# Altium PCB PCB1.PcbDoc
Units mil, origin at the board's own origin, x right, y up, seen from the top; angles counter-clockwise.
Board outline 5155 x 3500 mil, 2 copper layers (Top Layer, Bottom Layer); 9 components, 24 nets, 90 pads, 3 vias.
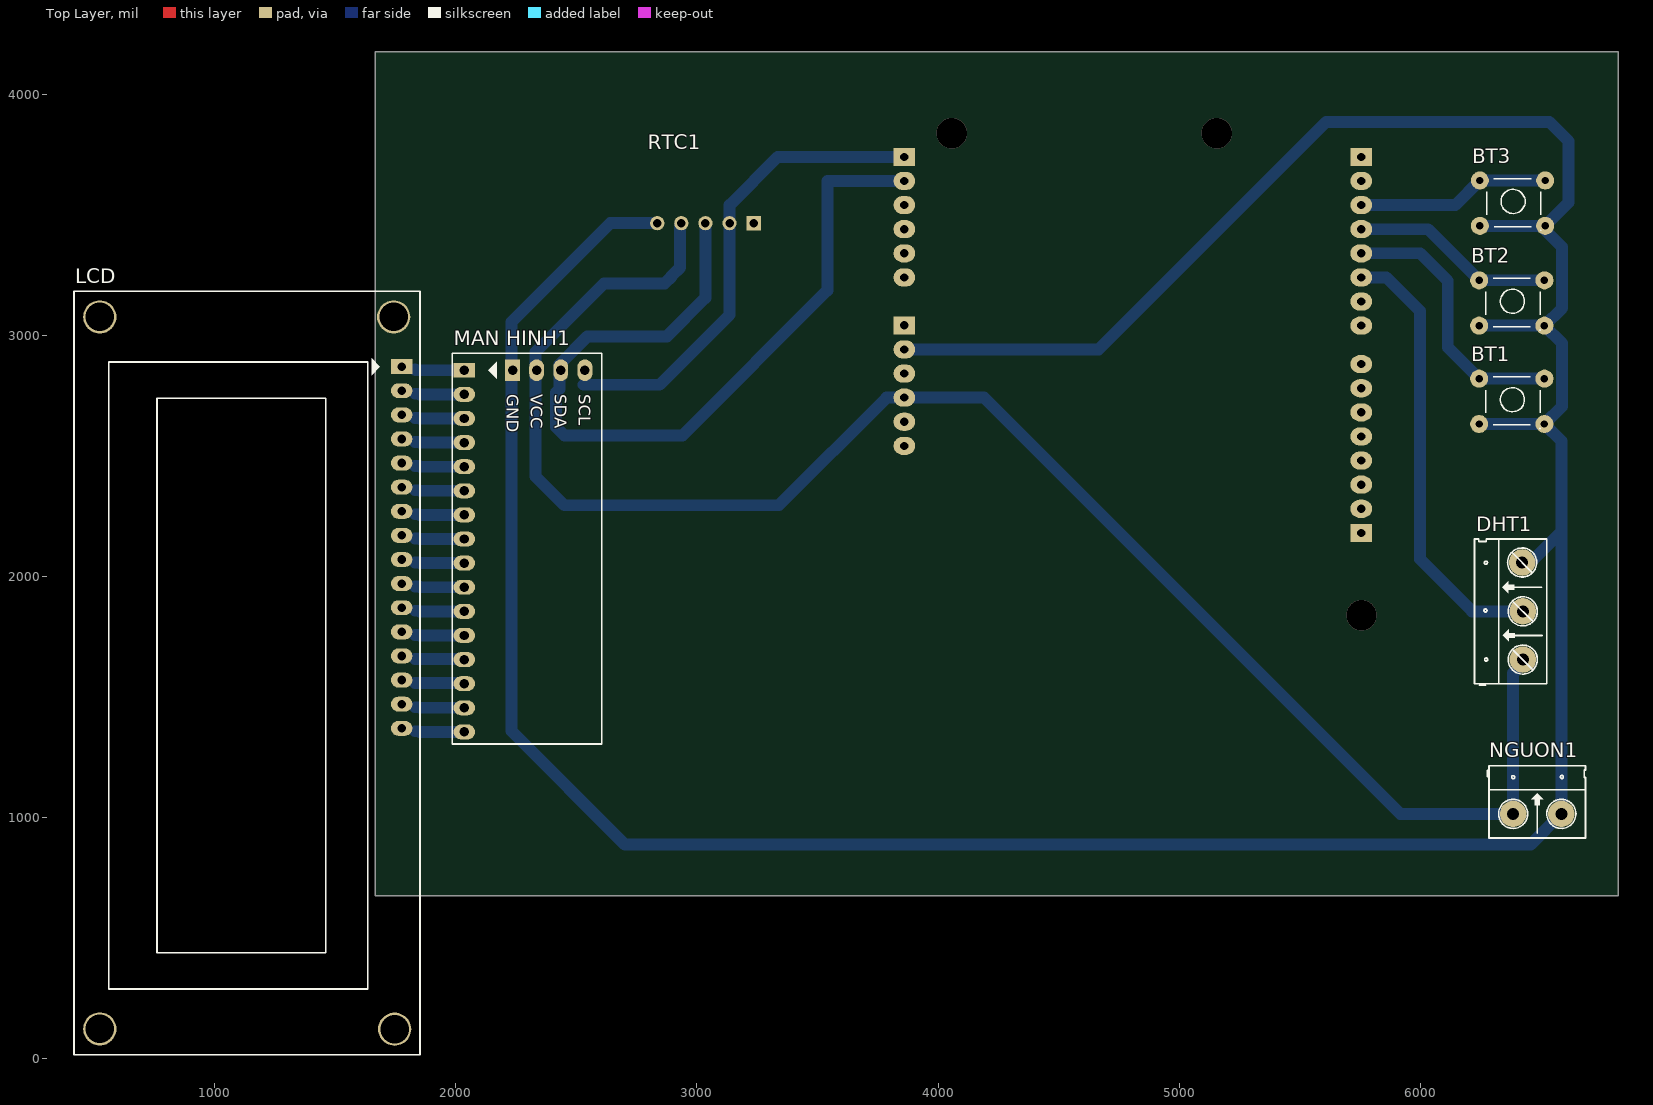
[diagram p0: Top Layer view]
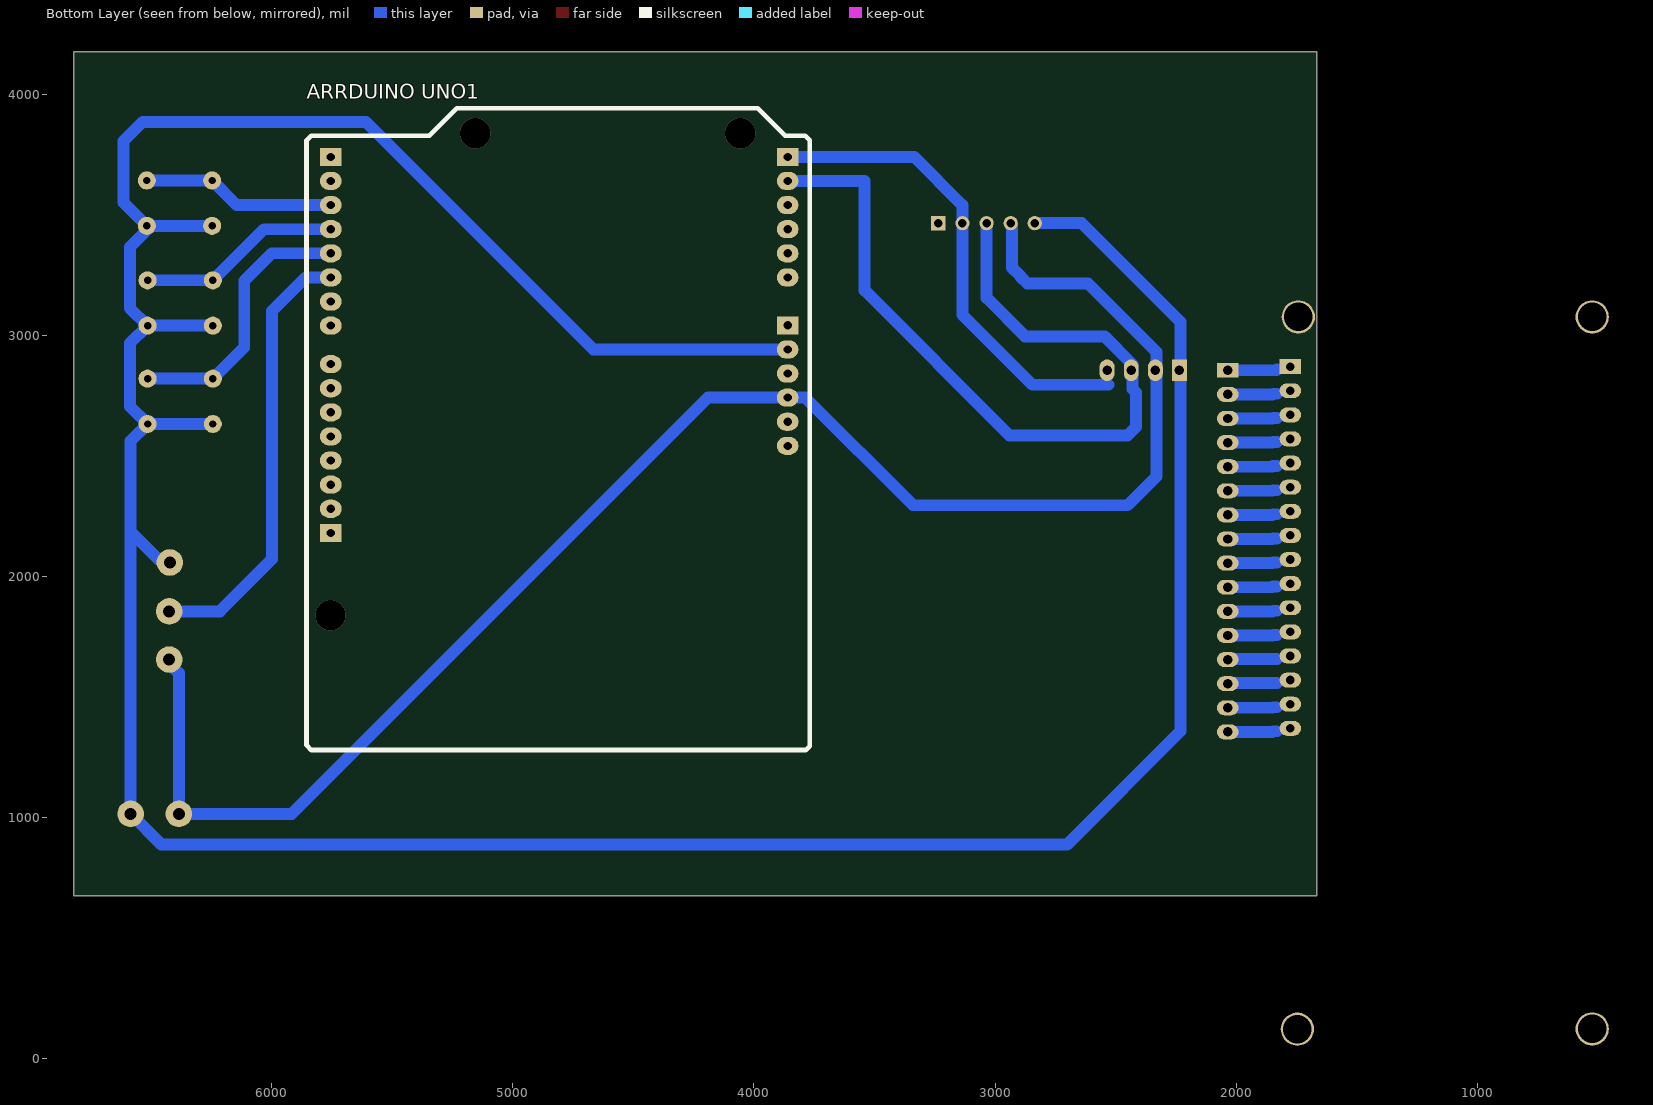
[diagram p1: Bottom Layer view, seen from below]

## Layer stack, top to bottom
Top Solder: solder mask 0.4, Solder Resist, Dk 3.5
Top Layer: signal copper 1.4
Dielectric 1: dielectric 12.6, FR-4, Dk 4.8
Bottom Layer: signal copper 1.4
Bottom Solder: solder mask 0.4, Solder Resist, Dk 3.5

## Board outline
1665,675 6820,675 6820,4175 1665,4175

## Design rules (kind name [scope] priority, off if disabled: settings)
Clearance [All] p1: gap=10 ignorepadtopadclearanceinfootprint=FALSE except(0: Arc-Hole Track-Hole SMDPad-Hole THPad-Hole Via-Hole Fill-Hole Poly-Hole Region-Hole Text-Hole)
DiffPairsRouting [All] p1: maxlimit=49.21 minlimit=39.37 mostfreqgap=39.37 toplayer_minwidth=15 toplayer_maxwidth=15 toplayer_prefwidth=15 bottomlayer_minwidth=15 bottomlayer_maxwidth=15 bottomlayer_prefwidth=15 maxuncoupledlength=500
PolygonConnect [All] p1: connectstyle=Relief reliefconductorwidth=10 reliefentries=4 polygonreliefangle="90 Angle" airgapwidth=10
RoomDefinition Sheet1 [InComponentClass('Sheet1')] p1: confinementstyle=ConfineIn formatcopy=TRUE lockcomponents=FALSE outline 6865,735 8320,735 8320,4025 6865,4025
RoutingVias [All] p1: holewidth=28 width=50 viastyle="Through Hole" minholewidth=28 minwidth=50 maxholewidth=28 maxwidth=50
SolderMaskExpansion [All] p1: expansion=4 istentingtop=FALSE
Width [All] p1: maxlimit=59.06 minlimit=39.37 preferedwidth=49.21
29 further rules are at their usual default settings.

## Components (designator, comment, footprint, x,y, rotation, side; value= is the part's Value field where it differs from the comment)
"ARRDUINO UNO1" "ARDUINO UNO" "ARDUINO UNO" 5855,1279.37 r90 bottom
BT1 "BT2" SW4 6257,2828 r0 top
BT2 "BT1" SW4 6257,3236 r0 top
BT3 "BT" SW4 6260,3650 r0 top
DHT1 "Header 3" HED3 6425,1655 r90 top
LCD "LCD16x2A" LCD16X2 1775,2870 r270 top
"MAN HINH1" "I2C-LCD16x2" I2C-LCD16X2 2035,2855 r270 top value=LCD16x2A
NGUON1 "Header 2" HED2 6385,1015 r0 top
RTC1 "Header 5H" HDR1X5H 3235,3465 r180 top

## Footprints (in the part's own frame and the unit in brackets; to place one, negate y for a bottom-side part, rotate by r counter-clockwise, add the part's x,y. Pads: shape width x height; smd on the part's side, far side on the other; paste and mask are expansions set on the pad)
"ARDUINO UNO" [mil]
  rect 75x90 hole 34: 0(2460.63,-100) 15(901,-100) 21(1762,-1995) 27(2460.63,-1995)
  oval 75x90 hole 34: 1(2360.63,-100) 2(2260.63,-100) 3(2160.63,-100) 4(2060.63,-100) 5(1960.63,-100) 6(1860.63,-100) 7(1760.63,-100) 8(1601,-100) 9(1501,-100) 10(1401,-100) 11(1301,-100) 12(1201,-100) 13(1101,-100) 14(1001,-100) 16(1262,-1995) 17(1362,-1995) 18(1462,-1995) 19(1562,-1995) 20(1662,-1995) 22(1960.63,-1995) 23(2060.63,-1995) 24(2160.63,-1995) 25(2260.63,-1995) 26(2360.63,-1995)
  silkscreen extent 0,-2087 2662,0, body extent -291,-2099 2659,1, height 485
HDR1X5H [mm] "Connector; Header; 5 Position; Right Angle"
  rect 1.5x1.5 hole 0.9: 1(0,0)
  round 1.5 hole 0.9: 2(2.54,0) 3(5.08,0) 4(7.62,0) 5(10.16,0)
  body extent -1.27,-7 11.43,1.27, height 4.33
HED2 [mil] "Header 2, 2 pin, hight 300mil, Pin to Pin 200, Colour Green"
  round 110 hole 50: 1(0,0) 2(200,0)
  silkscreen extent -106,-100 300,200, body extent -92,-90 302,205, height 394
HED3 [mil] "Header 3, 3 pin, hight 300mil, Pin to Pin 200, Colour Green"
  round 110 hole 50: 1(0,0) 2(200,0) 3(402.62,2.62)
  silkscreen extent -106,-100 500,200
I2C-LCD16X2 [mil] "LCD dipslay 16x2, 16 pin"
  rect 62x90 hole 39: 1(0,0)
  oval 62x90 hole 39: 2(100,0) 3(200,0) 4(300,0) 5(400,0) 6(500,0) 7(600,0) 8(700,0) 9(800,0) 10(900,0) 11(1000,0) 12(1100,0) 13(1200,0) 14(1300,0) 15(1400,0) 16(1500,0)
  oval 90x62 hole 39: 17(0,500) 18(0,400) 19(0,300)
  rect 90x62 hole 39: 20(0,200)
  silkscreen extent -70,-50 1550,570
LCD16X2 [mil] "LCD dipslay 16x2, 16 pin"
  rect 62x90 hole 36: 1(0,0)
  oval 62x90 hole 36: 2(100,0) 3(200,0) 4(300,0) 5(400,0) 6(500,0) 7(600,0) 8(700,0) 9(800,0) 10(900,0) 11(1000,0) 12(1100,0) 13(1200,0) 14(1300,0) 15(1400,0) 16(1500,0)
  round 137.8 hole 118.11: "Hole 0"(-206,-33) "Hole 0"(-206,-1252) "Hole 0"(2747,-1252) "Hole 0"(2748,-29)
  silkscreen extent -313,-1359 2854,76, body extent -315,-1360 2855,77, height 729
SW4 [mil] "SW button 4pin, 250 x250 mil"
  round 75 hole 31: 1(-13,-8) 1(258,-8) 2(-13,-196) 2(258,-196)
  silkscreen extent 15,-215 240,0, body extent -31,-225 281,19, height 276

## Part data
BT1 BT2 BT3: library part BUTTON
DHT1: library part Hed3, "Header 3 (Green)"
LCD: library part LCD16x2, "LCD dipslay 16 char, 2 line"
"MAN HINH1": "LCD dipslay 16 char, 2 line"
NGUON1: "Header 2 (Green)"
RTC1: "Header, 5-Pin, Right Angle", LatestRevisionDate=17-Jul-2002, LatestRevisionNote="Re-released for DXP Platform.", Publisher="Altium Limited"

## Via types
v1: diameter 125.98, hole 125.98, Top Layer to Bottom Layer, 3 vias

## Nets (pads, with @x,y where several pads share a name; then routed paths per layer and width w, separated by ;. In a path a pad name is that pad's centre, name@x,y a point inside that pad or via, vN(x,y) a via of type N, cw(c..) or ccw(c..) an arc to the next point about the centre after c; other vN are vias at no path point)
GND: "ARRDUINO UNO1.20" "MAN HINH1.20" BT1.2 BT2.2 BT3.2 DHT1.3 NGUON1.2 RTC1.5 | length 14267.2
  Bottom Layer w49.21: RTC1.5 2640,3465 2230,3055 2230,2850 2230,2795 2230,1359 2701,888 6458,888 NGUON1.2 6585,2185 ; 3860,2941.37 4666.37,2941.37 5610,3885 6535,3885 6615,3805 6615,3551 6518,3454 BT3.2@6500,3454 ; BT1.2@6244,2632 BT1.2@6515,2632 ; BT2.2@6244,3040 BT2.2@6515,3040 ; BT3.2@6247,3454 BT3.2@6500,3454 ; DHT1.3 6434.01,2069.25 6469.25,2069.25 6585,2185 ; BT3.2@6500,3454 6588,3366 6588,3113 BT2.2@6515,3040 ; BT1.2@6515,2632 6588,2705 6588,2967 BT2.2@6515,3040 ; BT1.2@6515,2632 6585,2562 6585,2185
"NetARRDUINO UNO1_2": "ARRDUINO UNO1.2" BT3.1 | length 805.2
  Bottom Layer w49.21: 5755,3540 6145,3540 6247,3642 BT3.1@6518,3642
"NetARRDUINO UNO1_3": "ARRDUINO UNO1.3" BT2.1 | length 847.8
  Bottom Layer w49.21: 5755,3440 6032,3440 6244,3228 BT2.1@6515,3228
"NetARRDUINO UNO1_4": "ARRDUINO UNO1.4" BT1.1 | length 1137.1
  Bottom Layer w49.21: 5755,3340 6000,3340 6114,3226 6114,2950 6244,2820 BT1.1@6515,2820
"NetARRDUINO UNO1_5": "ARRDUINO UNO1.5" DHT1.2 | length 1846.5
  Bottom Layer w49.21: 5755,3240 5859,3240 5999,3100 5999,2071 6215,1855 DHT1.2
"NetARRDUINO UNO1_26": "ARRDUINO UNO1.26" "MAN HINH1.18" RTC1.3 | length 3457.6
  Bottom Layer w49.21: RTC1.3 3035,3155 2875,2995 2545,2995 2430,2880 2430,2795 2430,2777.54 2415,2762.54 2415,2620 2450,2585 2940,2585 3541,3186 3541,3640 3860,3640
"NetARRDUINO UNO1_27": "ARRDUINO UNO1.27" "MAN HINH1.17" RTC1.2 | length 1988
  Bottom Layer w49.21: 2530,2795 2845,2795 3135,3085 RTC1.2 3135,3540 3335,3740 3860,3740
NetLCD_1: "MAN HINH1.1" LCD.1 | length 206
  Bottom Layer w49.21: 1830,2857.5 1832.5,2855 2035,2855
NetLCD_2: "MAN HINH1.2" LCD.2 | length 206
  Bottom Layer w49.21: 1830,2757.5 1847.46,2757.5 1849.96,2755 2035,2755
NetLCD_3: "MAN HINH1.3" LCD.3 | length 206
  Bottom Layer w49.21: 1830,2657.5 1847.46,2657.5 1849.96,2655 2035,2655
NetLCD_4: "MAN HINH1.4" LCD.4 | length 206
  Bottom Layer w49.21: 1830,2557.5 1847.46,2557.5 1849.96,2555 2035,2555
NetLCD_5: "MAN HINH1.5" LCD.5 | length 206
  Bottom Layer w49.21: 1830,2457.5 1847.46,2457.5 1849.96,2455 2035,2455
NetLCD_6: "MAN HINH1.6" LCD.6 | length 206
  Bottom Layer w49.21: 1830,2357.5 1847.46,2357.5 1849.96,2355 2035,2355
NetLCD_7: "MAN HINH1.7" LCD.7 | length 206
  Bottom Layer w49.21: 1830,2257.5 1847.46,2257.5 1849.96,2255 2035,2255
NetLCD_8: "MAN HINH1.8" LCD.8 | length 206
  Bottom Layer w49.21: 1830,2157.5 1847.46,2157.5 1849.96,2155 2035,2155
NetLCD_9: "MAN HINH1.9" LCD.9 | length 206
  Bottom Layer w49.21: 1830,2057.5 1847.46,2057.5 1849.96,2055 2035,2055
NetLCD_10: "MAN HINH1.10" LCD.10 | length 206
  Bottom Layer w49.21: 1830,1957.5 1847.46,1957.5 1849.96,1955 2035,1955
NetLCD_11: "MAN HINH1.11" LCD.11 | length 206
  Bottom Layer w49.21: 1830,1857.5 1847.46,1857.5 1849.96,1855 2035,1855
NetLCD_12: "MAN HINH1.12" LCD.12 | length 206
  Bottom Layer w49.21: 1830,1757.5 1847.46,1757.5 1849.96,1755 2035,1755
NetLCD_13: "MAN HINH1.13" LCD.13 | length 206
  Bottom Layer w49.21: 1830,1657.5 2009.46,1657.5 2009.51,1657.45 2032.55,1657.45 2035,1655
NetLCD_14: "MAN HINH1.14" LCD.14 | length 206
  Bottom Layer w49.21: 1830,1557.5 2009.46,1557.5 2009.51,1557.45 2032.55,1557.45 2035,1555
NetLCD_15: "MAN HINH1.15" LCD.15 | length 206
  Bottom Layer w49.21: 1830,1457.5 1847.46,1457.5 1849.96,1455 2035,1455
NetLCD_16: "MAN HINH1.16" LCD.16 | length 206
  Bottom Layer w49.21: 1830,1357.5 1847.46,1357.5 1849.96,1355 2035,1355
VCC: "ARRDUINO UNO1.18" "MAN HINH1.19" DHT1.1 NGUON1.1 RTC1.4 | length 7109
  Bottom Layer w49.21: RTC1.4 2935,3462.34 2930,3457.34 2930,3281.17 2895,3246.17 2895,3243.83 2866.17,3215 2615,3215 2330,2930 2330,2850 2330,2795 2330,2415 2450,2295 3340,2295 3786.37,2741.37 3813.63,2741.37 3860,2741.37 4190.63,2741.37 5917,1015 NGUON1.1 6385,1598.55 6425,1638.55 DHT1.1
pads on no net: "ARRDUINO UNO1.0" "ARRDUINO UNO1.1" "ARRDUINO UNO1.6" "ARRDUINO UNO1.7" "ARRDUINO UNO1.8" "ARRDUINO UNO1.9" "ARRDUINO UNO1.10" "ARRDUINO UNO1.11" "ARRDUINO UNO1.12" "ARRDUINO UNO1.13" "ARRDUINO UNO1.14" "ARRDUINO UNO1.15" "ARRDUINO UNO1.16" "ARRDUINO UNO1.17" "ARRDUINO UNO1.19" "ARRDUINO UNO1.21" "ARRDUINO UNO1.22" "ARRDUINO UNO1.23" "ARRDUINO UNO1.24" "ARRDUINO UNO1.25" "LCD.Hole 0" RTC1.1
copper on no net:
  other v1: 5756,1838.37 4056,3838.43 5156.34,3838.09

## Text inside footprints (layer, text, board x,y; h text height)
"MAN HINH1": Top Overlay "GND" at 2210,2755 h50 r270; Top Overlay "VCC" at 2310,2755 h50 r270; Top Overlay "SDA" at 2410,2755 h50 r270; Top Overlay "SCL" at 2510,2755 h50 r270